# KiCad board Cacao.kicad_pcb (continued)
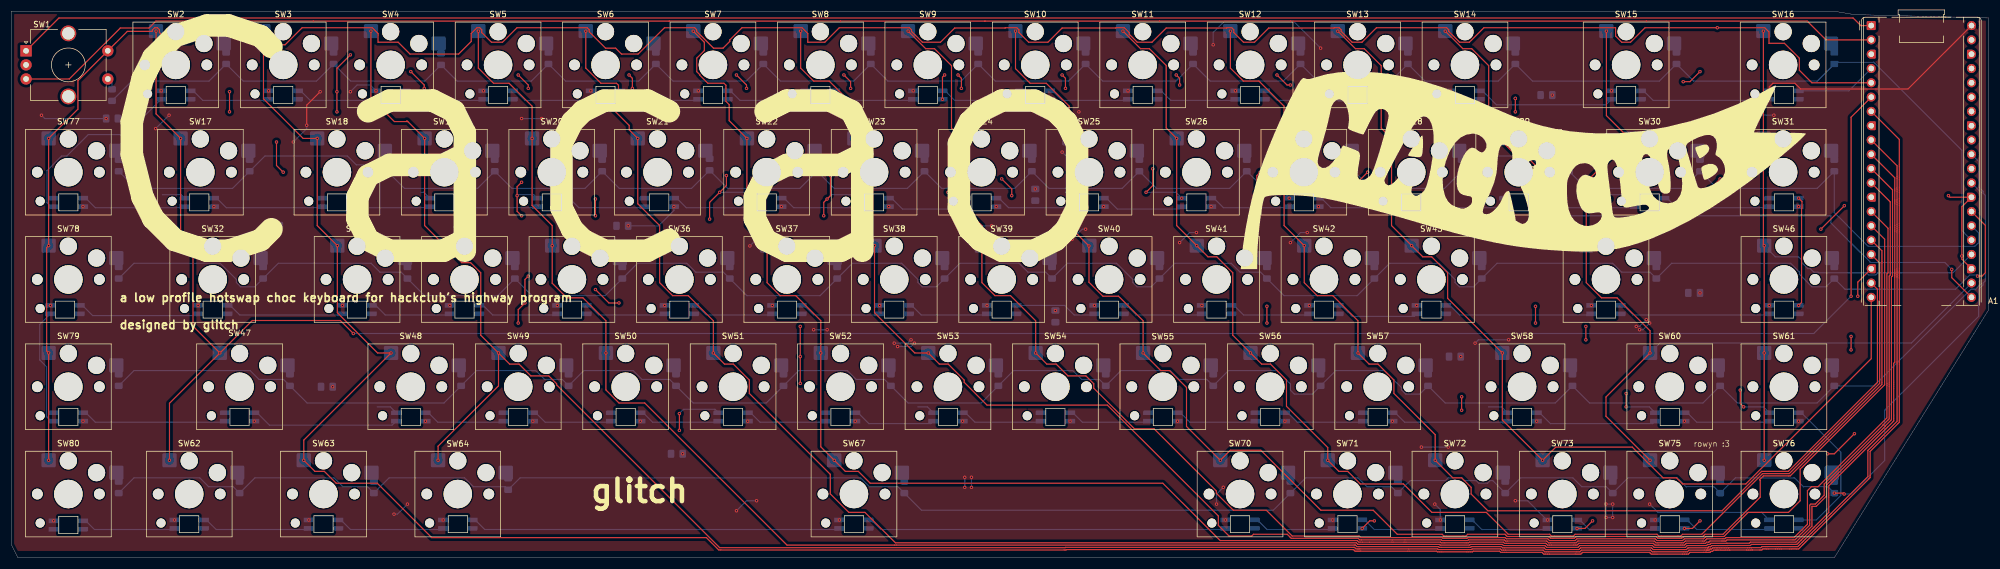
[diagram p0: board, top side]
## Routing (per net, layer and track width the routed paths; a pad name or vN(x,y) marks a point on that pad's centre or on a via; arc(x,y) is an arc through that point) (continued)
Net-(D111-DOUT): length 14.6
  Bottom w0.2: D112.3 159.66,44.8 161.35,43.11 172.82,43.11 D111.1
Net-(D112-DOUT): length 14.6
  Bottom w0.2: D112.1 153.77,43.11 142.32,43.11 140.63,44.8 D113.3
Net-(D113-DOUT): length 14.7
  Bottom w0.2: D113.1 134.75,43.11 123.25,43.11 121.56,44.8 D115.3
Net-(D115-DOUT): length 14.6
  Bottom w0.2: D115.1 115.67,43.11 104.2,43.11 102.51,44.8 D116.3
Net-(D116-DOUT): length 14.6
  Bottom w0.2: D116.1 96.62,43.11 85.36,43.11 83.67,44.8 D117.3
Net-(D117-DOUT): length 14.6
  Bottom w0.2: D118.3 64.62,44.8 66.31,43.11 77.57,43.11 D117.1
Net-(D118-DOUT): length 21.2
  Bottom w0.2: D119.3 38.81,44.8 40.5,43.11 58.52,43.11 D118.1
Net-(D119-DOUT): length 21.9
  Bottom w0.2: D120.3 12.62,44.8 14.41,43 32.82,43 D119.1
Net-(D120-DOUT): length 21.1
  Bottom w0.2: D121.3 7.03,24.25 6.27,25.01 6.27,33.9 5.04,35.13 5.04,41.42 D120.1
Net-(D122-DOUT): length 26.4
  Bottom w0.2: D122.1 43.57,25.75 45.78,23.54 67.53,23.54 D123.3
Net-(D123-DOUT): length 14.6
  Bottom w0.2: D123.1 73.93,25.75 75.63,24.06 87.1,24.06 D124.3
Net-(D124-DOUT): length 14.6
  Bottom w0.2: D125.3 106.15,24.06 94.68,24.06 92.98,25.75 D124.1
Net-(D125-DOUT): length 14.6
  Bottom w0.2: D125.1 112.03,25.75 113.73,24.06 125.2,24.06 D126.3
Net-(D126-DOUT): length 14.6
  Bottom w0.2: D127.3 144.25,24.06 132.78,24.06 131.08,25.75 D126.1
Net-(D127-DOUT): length 14.8
  Bottom w0.2: D127.1 150.13,25.75 152.07,23.81 163.05,23.81 D128.3
Net-(D128-DOUT): length 14.6
  Bottom w0.2: D128.1 169.18,25.75 170.88,24.06 182.35,24.06 D129.3
Net-(D129-DOUT): length 14.6
  Bottom w0.2: D130.3 201.4,24.06 189.93,24.06 188.23,25.75 D129.1
Net-(D130-DOUT): length 14.6
  Bottom w0.2: D131.3 220.45,24.06 208.98,24.06 207.28,25.75 D130.1
Net-(D131-DOUT): length 14.6
  Bottom w0.2: D132.3 239.5,24.06 228.03,24.06 226.33,25.75 D131.1
Net-(D132-DOUT): length 21.2
  Bottom w0.2: D133.3 265.1,24.06 247.08,24.06 245.38,25.75 D132.1
Net-(D134-DOUT): length 15.8
  Bottom w0.2: D135.3 311.53,24.06 298.87,24.06 297.17,25.75 D134.1
Net-(D135-DOUT): length 27.4
  Bottom w0.2: D136.3 320.04,6.7 324.4,11.06 324.4,18.77 317.42,25.75 D135.1
Net-(D136-DOUT): length 15.8
  Bottom w0.2: D137.3 297.17,6.7 298.87,5.01 311.53,5.01 D136.1
Net-(D137-DOUT): length 14.6
  Bottom w0.2: D138.3 278.12,6.7 279.82,5.01 291.29,5.01 D137.1
Net-(D138-DOUT): length 14.6
  Bottom w0.2: D139.3 259.07,6.7 260.77,5.01 272.24,5.01 D138.1
Net-(D139-DOUT): length 14.6
  Bottom w0.2: D139.1 253.19,5.01 241.72,5.01 240.02,6.7 D140.3
Net-(D140-DOUT): length 14.6
  Bottom w0.2: D141.3 220.97,6.7 222.67,5.01 234.14,5.01 D140.1
Net-(D141-DOUT): length 64
  Bottom w0.2: D141.1 215.09,5.01 154.21,5.01 152.51,6.7 D142.3
Net-(D142-DOUT): length 65.8
  Bottom w0.2: D143.3 82.27,6.7 83.96,5.01 146.63,5.01 D142.1
Net-(D143-DOUT): length 19.4
  Bottom w0.2: D144.3 58.45,6.7 60.15,5.01 76.38,5.01 D143.1
Net-(D144-DOUT): length 19.4
  Bottom w0.2: D144.1 52.57,5.01 36.33,5.01 34.64,6.7 D145.3
Net-(D145-DOUT): length 16.9
  Bottom w0.2: D146.3 13.21,6.55 14.75,5.01 28.76,5.01 D145.1

## Copper pours and planes (outline as drawn; the poured copper is in the pictures)
+5V on Top: -0.6,97.63 -0.6,1.19 324.45,1.19 352.43,44.05 352.43,97.63
GND on Bottom: -0.6,97.63 -0.6,1.19 324.45,1.19 352.43,44.05 352.43,97.63

## Text on the board
B.Silkscreen: glitch | Cacao
F.Silkscreen: rowyn :3 | a low profile hotswap choc keyboard for hackclub's highway program / designed by glitch | glitch | Cacao
